# KiCad board frankenso.kicad_pcb (continued)
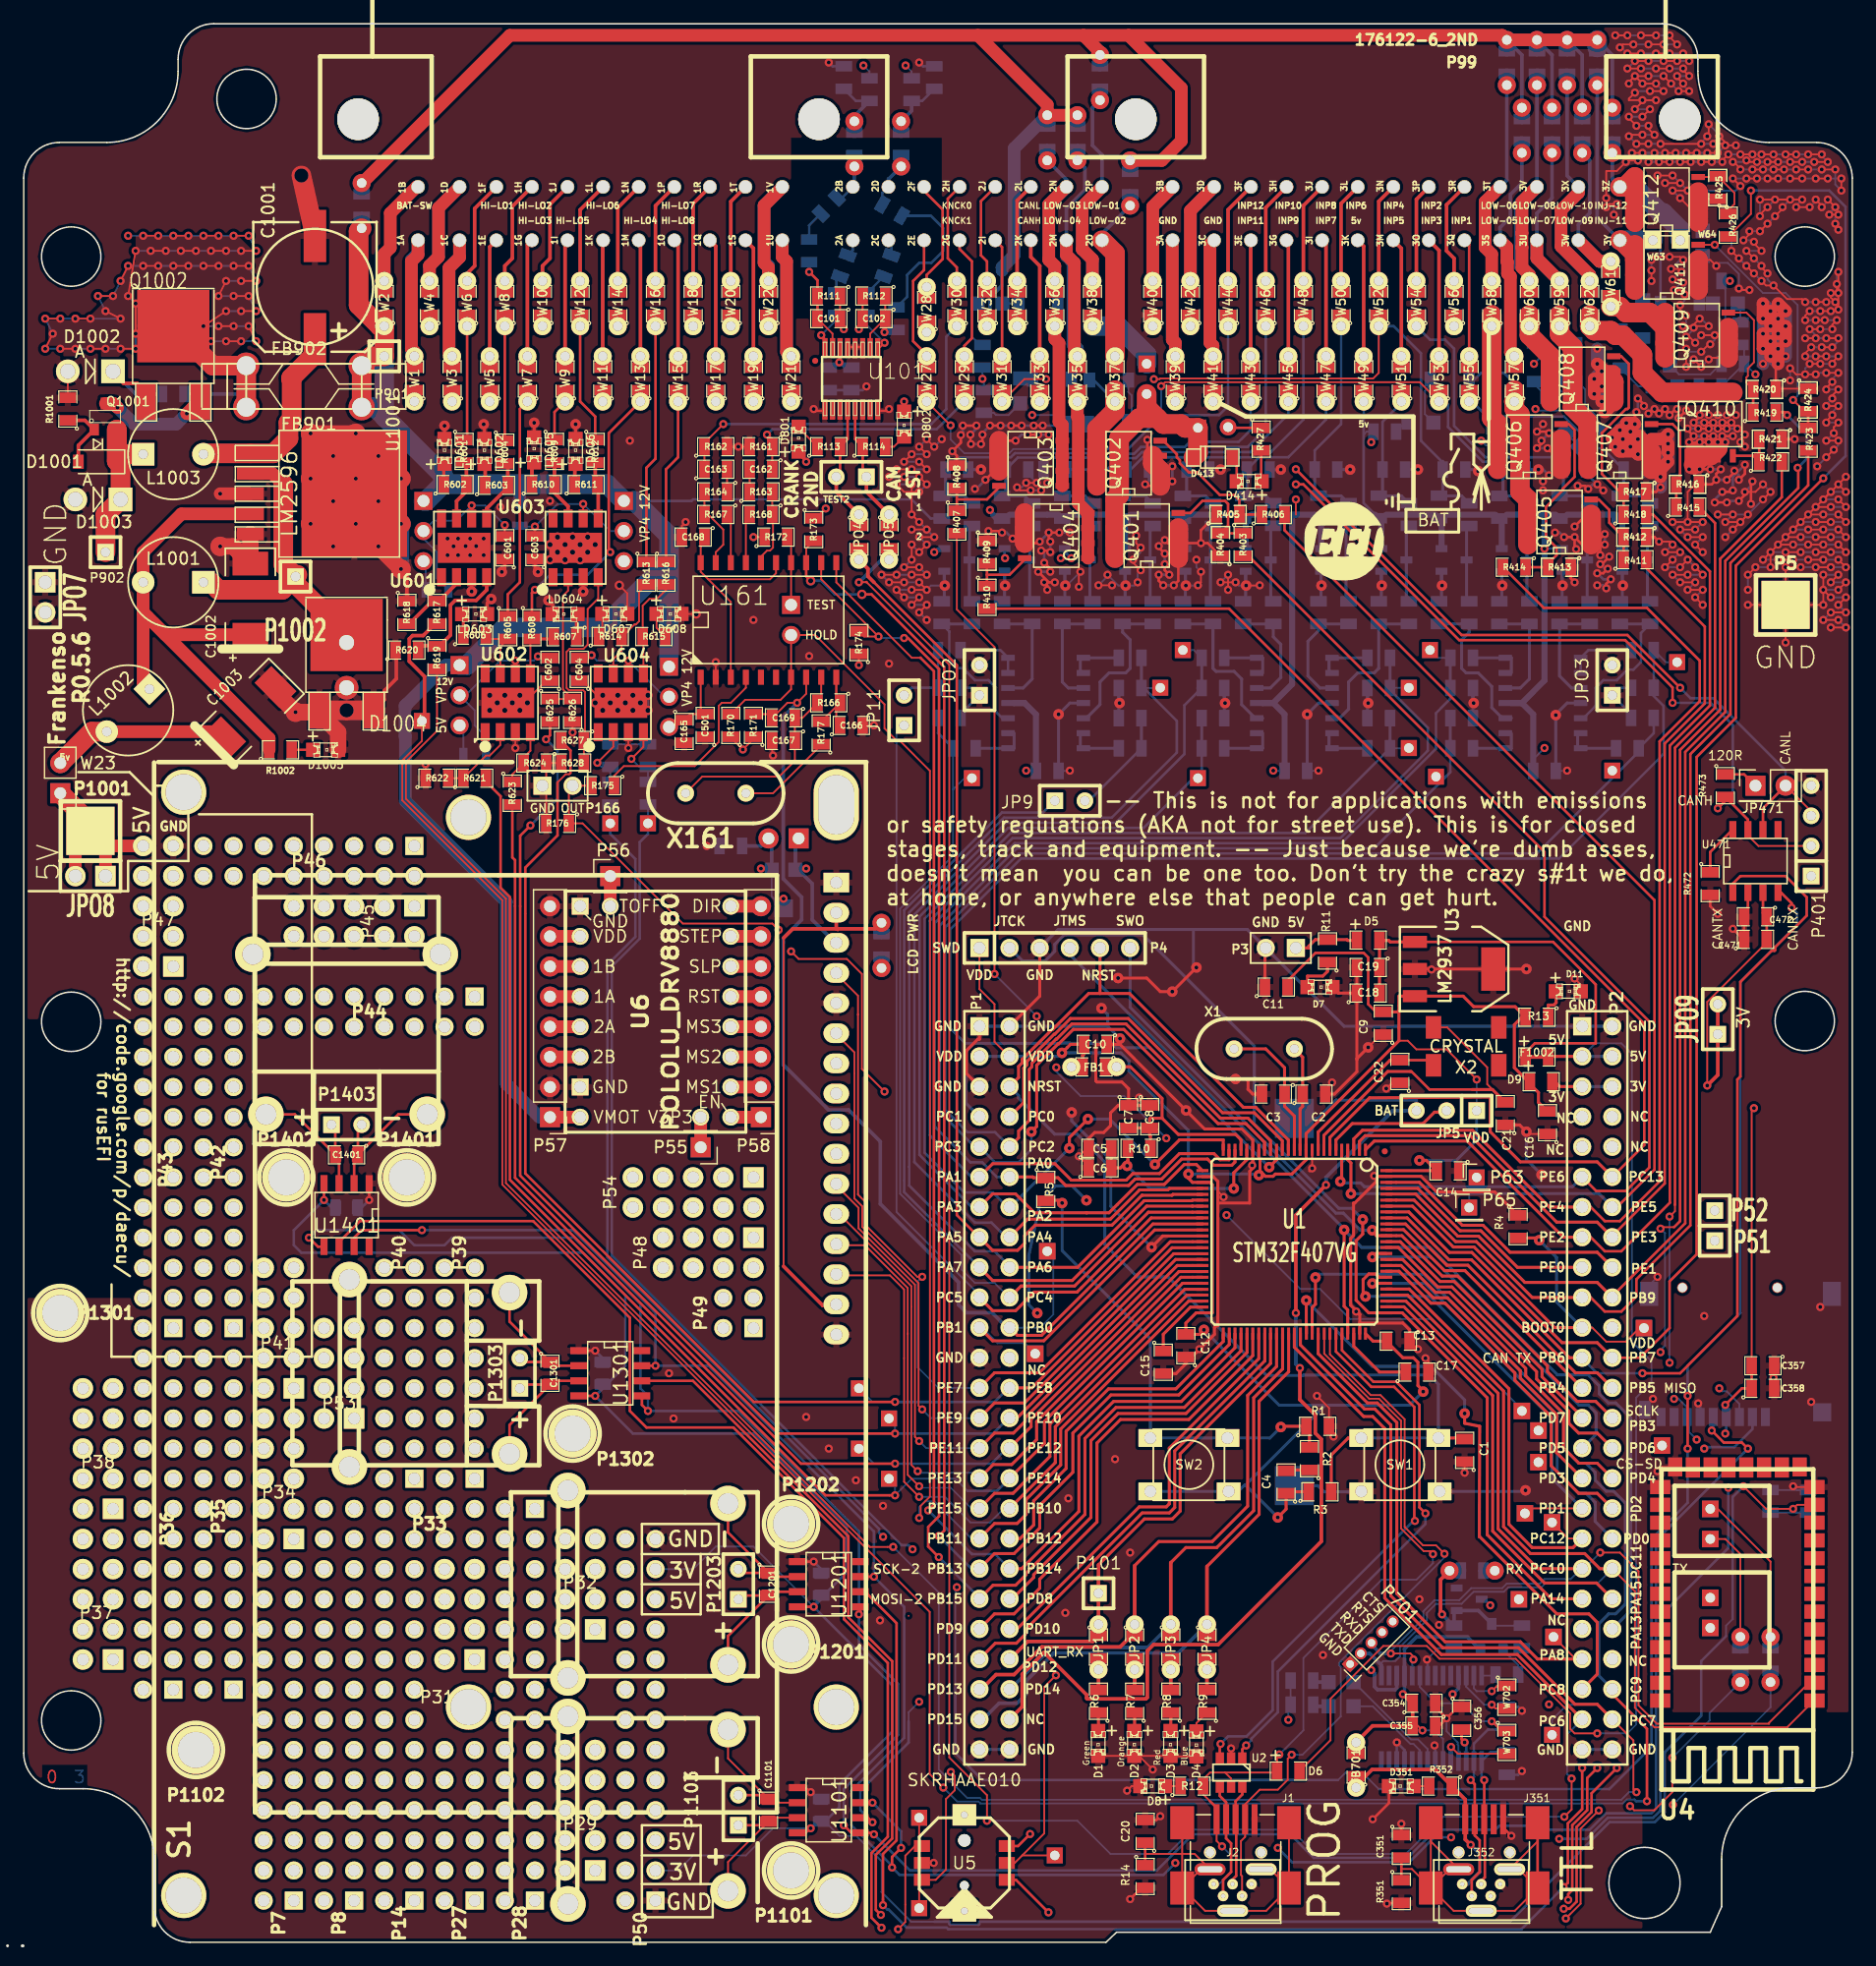
[diagram p0: board, top side]
## Routing (per net, layer and track width the routed paths; a pad name or vN(x,y) marks a point on that pad's centre or on a via; arc(x,y) is an arc through that point) (continued)
  Bottom w0.152: v2(137.96,60.15) 138.34,59.77 138.34,50.3 137.96,49.92 v2(137.96,49.74)
  Bottom w0.254: v1(113.67,57.76) 118.6,57.76 131.07,45.29 131.86,45.29 132.53,44.62 132.53,42.83 131.35,41.65
/inj_12ch/INJ-11_5V: length 102.8
  Top w0.216: 131.35,54.35 132.07,54.35 133.26,53.17 134.65,53.17 135.92,54.44 135.92,55.89 140.47,60.43 140.47,100.15 143.85,103.53 143.85,116.26 150.4,122.81 R423.2
  Top w0.254: 131.35,54.35 127.14,54.35 122.43,59.06 120.68,59.06 117.19,62.56 U1.95
/inj_12ch/INJ-12_5V: length 143.9
  Top w0.152: R426.2 145.58,145.69 v2(145.58,147.66)
  Top w0.216: P2.24 136.22,49.27 138.72,51.77 138.72,55.71 141,58 141,99.91 144.31,103.21 144.31,116.03 v2(151.67,123.4)
  Top w0.254: U1.93 116.74,61.57 120.16,58.15 122.05,58.15 129.66,50.54 132.62,50.54 P2.24
  Bottom w0.216: v2(151.67,123.4) 153.55,125.28 153.55,146.29 152.18,147.66 v2(145.58,147.66)
/KNOCK-INPUT-0: length 32.1
  Top w0.152: v2(58.96,127.97) 57.37,126.39 R162.1 C163.1 ; W30.1 W30.1
  Bottom w0.216: W30.1 77.76,135.34 77.76,129.24 76.49,127.97 v2(58.96,127.97)
/KNOCK-INPUT-1: length 21.9
  Top w0.152: R161.1 C162.1 ; W29.1 W29.1
  Top w0.216: v2(62.64,127.08) 63.09,126.64 R161.1
  Bottom w0.216: v2(62.64,127.08) 63.1,127.54 76.94,127.54 W29.1
/LOW-1A-01_2: length 6.3
  Bottom w1.651: R402.1 94.65,133.81 92.24,136.23 W38.1
/LOW-1A-02: length 11.6
  Top w1.651: Q402.2 Q402.2 Q402.2 Q402.2 90.46,127.56 91.98,129.09 W37.1 W37.1
  Bottom w0.216: W37.1 90.18,131.68 D416.2
/LOW-1A-03: length 16.7
  Top w1.067: Q403.2 Q403.2 Q403.2 Q403.2 87.54,127.9 87.26,128.18 87.26,134.8 86.9,135.15 W36.1 W36.1
  Bottom w0.216: W36.1 87.16,136.48 D418.2
/LOW-1A-04: length 16.6
  Top w1.067: Q404.2 Q404.2 Q404.2 Q404.2 88.88,121.29 88.88,128.53 88.81,128.61 W35.1 W35.1
  Bottom w0.216: W35.1 88.3,130.39 D420.2
/LOW-1A-05: length 19.5
  Top w1.651: W57.1 125.64,129.92 125.6,129.88 W57.1 125.64,129.24 126.11,128.77 126.11,122.3 Q405.2 Q405.2 Q405.2 Q405.2
  Bottom w0.216: W57.1 125.64,131.4 124.75,132.29 122.84,132.29 122.31,131.76 D422.2
/LOW-1A-06: length 15.1
  Top w1.651: W58.1 W58.1 123.73,128.48 Q406.2 Q406.2 Q406.2 Q406.2
  Bottom w0.216: W58.1 123.76,136.2 D424.2
/LOW-1A-07: length 16
  Top w1.651: Q407.2 Q407.2 Q407.2 Q407.2 131.86,128.1 130.55,129.41 130.55,134.46 129.45,135.57 W59.1 W59.1
  Bottom w0.216: D426.2 129.45,136.13 W59.1
/LOW-1A-08: length 9.6
  Top w1.651: Q408.2 Q408.2 Q408.2 Q408.2 126.91,135.47 W60.1 W60.1
  Bottom w0.216: D428.2 126.91,135.24 W60.1
/LOW-1A-09: length 13
  Top w0.216: W61.1 W61.1
  Top w1.651: Q409.2 Q409.2 ; Q409.2 Q409.2 ; Q409.2 137.07,137.37 135.03,137.37 134.53,137.88 W61.1
  Bottom w0.216: 136.46,138.51 135.82,137.88 W61.1
/LOW-1A-10: length 18.9
  Top w1.651: Q410.2 Q410.2 Q410.2 Q410.2 138.08,130.64 136.43,132.29 136.43,133.81 134.78,135.47 134.15,135.47 133.76,135.85 132.37,135.85 W62.1 W62.1
  Bottom w0.216: W62.1 132.24,135.97 D432.2
/LOW-1A-11: length 28.3
  Top w1.651: Q411.2 Q411.2 Q411.2 ; Q411.2 Q411.2 ; Q411.2 135.8,142.32 134.65,143.47 P99.51
  Bottom w0.216: W63.1 137.96,142.83 D434.2
  Bottom w0.305: P99.51 132.62,145.38 D22.1
  Bottom w1.651: W63.1 P99.51
/LOW-1A-12: length 16
  Top w1.651: P99.64 134.96,147.97 Q412.2 Q412.2 Q412.2 Q412.2
  Bottom w0.305: P99.64 133.89,148.61 D23.1
  Bottom w1.651: P99.64 135.77,147.97 D436.2 138.18,145.78 139.61,144.36 W64.1
/mmc_usb_1/CB2: length 4.1
  Top w0.152: v2(123.73,21.17) 124.18,21.61 W702.1
  Bottom w0.152: v2(123.73,21.17) 122.46,21.17 122.23,21.4 U351.13
/mmc_usb_1/CB4: length 5.1
  Top w0.152: v2(123.73,20.02) 124.05,19.71 W702.2
  Bottom w0.152: v2(123.73,20.02) 123.1,20.02 121.58,21.54 U351.12
/mmc_usb_1/D+: length 13.1
  Top w0.216: v2(123.1,13.67) J351.3 123.15,10.32 123.15,5.47 122.84,5.16 J352.3
  Bottom w0.216: v2(123.1,13.67) 122.88,13.89 U351.15 123.62,16.02 C353.2
/mmc_usb_1/D-: length 16.8
  Top w0.216: v2(121.95,13.67) 122.3,13.33 J351.2 122.3,9.01 122.72,8.59 122.72,5.93 122.04,5.25 J352.2
  Bottom w0.216: v2(121.95,13.67) 122.23,13.94 U351.16 122.23,16.74 123.41,17.93 C352.2
/mmc_usb_1/FTVCC: length 25.1
  Top w0.152: v2(117.89,17.86) 117.51,18.24 C355.2
  Top w0.305: v2(116.24,20.91) 117,20.15 C354.1 C355.2 113.68,18.24 112.3,16.86 FB701.2 FB701.2
  Bottom w0.152: v2(117.89,17.86) 118.91,17.86 119.63,17.14 U351.20
  Bottom w0.305: v2(116.24,20.91) 116.38,21.05 U351.4 116.38,24.73 117.38,25.74 121.68,25.74 Q701.2
/mmc_usb_1/PWREN#: length 1.2
  Bottom w0.152: R703.2 123.96,22.48 U351.14
/mmc_usb_1/RESET: length 6.1
  Top w0.152: v2(120.3,16.47) 120.87,15.9 W703.2
  Bottom w0.152: v2(120.3,16.47) 120.28,16.44 U351.19
/mmc_usb_1/RI: length 9.8
  Top w0.152: v2(123.73,18.63) 124.56,17.8 W703.1
  Bottom w0.152: v2(123.73,18.63) 122.72,18.63 121.19,20.15 119.03,20.15 117.68,21.51 U351.6
/mmc_usb_1/shield: length 42.5
  Top w0.152: J351.6 120.17,6.15 J352.6 118.6,8.5 J351.6 J351.6 ; J351.6 116.99,6.18 116.11,6.18 ; J351.6 120.52,2.65 J352.6 125.67,2.65 J351.6 126.02,6.15 J352.6 127.6,8.51 J351.6
  Top w0.216: R351.1 C351.2 ; J351.6 J351.6
/PWR_buck_12V_switcher/FB: length 50.5
  Top w1.067: L1001.2 10.07,117.18 13.29,120.4 U1001.4 ; L1001.2 10.07,112.1 ; L1001.2 10.07,106.16 L1002.1 ; 10.07,112.1 11.95,110.22 C1002.1 ; 10.07,112.1 20.69,101.48 R1002.1
/PWR_buck_12V_switcher/OUT: length 26.8
  Top w1.067: 21.88,122.89 20.96,123.81 U1001.2
  Top w1.651: 21.88,122.89 21.88,116.15 P1002.1 ; P1002.1 21.79,114 16.42,114 15.78,114.64 L1001.1 ; P1002.1 23.06,115.27 ; P1002.1 22.91,114.5 D1004.2
/PWR_buck_12V_switcher/Vf: length 107.9
  Top w0.152: Q1002.2 v2(15.78,134.96) ; v2(17.05,134.96) v2(18.32,134.96) ; v2(19.59,134.96) v2(18.96,136.23) ; v2(17.69,136.23) v2(16.42,136.23) ; v2(15.15,136.23) v2(17.05,137.5) ; v2(18.32,137.5) v2(19.59,137.5) ; v2(18.96,138.77) v2(17.69,138.77) ; v2(16.42,138.77) v2(17.05,140.04) ; v2(18.32,140.04) v2(19.59,140.04) ; v2(18.96,141.31) v2(17.69,141.31) ; v2(16.42,141.31) v2(15.15,141.31) ; v2(13.88,141.31) v2(12.61,141.31) ; v2(11.34,141.31) v2(10.07,141.31) ; v2(8.8,141.31) v2(8.16,140.04) ; v2(7.53,138.77) v2(6.26,138.77) ; v2(6.89,137.5) v2(8.16,136.86) ; v2(5.62,136.86) v2(4.35,136.86) ; v2(3.08,136.86) v2(1.81,136.86) ; v2(2.45,135.59) v2(1.81,134.32) ; v2(3.08,134.32) v2(4.35,134.32) ; v2(5.62,134.32) v2(6.89,134.32) ; v2(8.16,134.32) v2(9.43,134.32) ; v2(9.43,135.59) v2(9.43,138.13) ; v2(8.8,138.77) v2(9.43,142.58) ; v2(10.7,142.58) v2(11.97,142.58) ; v2(13.24,142.58) v2(14.51,142.58) ; v2(15.78,142.58) v2(17.05,142.58) ; v2(18.32,142.58) v2(19.59,142.58) ; v2(18.96,143.85) v2(17.69,143.85) ; v2(16.42,143.85) v2(15.15,143.85) ; v2(13.88,143.85) v2(12.61,143.85) ; v2(11.34,143.85) v2(10.07,143.85)
  Top w1.651: Q1002.2 15.93,132.9 FB902.1 FB902.1
  Bottom w0.152: v2(15.78,134.96) v2(17.05,134.96) ; v2(18.32,134.96) v2(19.59,134.96) ; v2(18.96,136.23) v2(17.69,136.23) ; v2(16.42,136.23) v2(15.15,136.23) ; v2(17.05,137.5) v2(18.32,137.5) ; v2(19.59,137.5) v2(18.96,138.77) ; v2(17.69,138.77) v2(16.42,138.77) ; v2(17.05,140.04) v2(18.32,140.04) ; v2(19.59,140.04) v2(18.96,141.31) ; v2(17.69,141.31) v2(16.42,141.31) ; v2(15.15,141.31) v2(13.88,141.31) ; v2(12.61,141.31) v2(11.34,141.31) ; v2(10.07,141.31) v2(8.8,141.31) ; v2(8.16,140.04) v2(7.53,138.77) ; v2(6.26,138.77) v2(6.89,137.5) ; v2(8.16,136.86) v2(5.62,136.86) ; v2(4.35,136.86) v2(3.08,136.86) ; v2(1.81,136.86) v2(2.45,135.59) ; v2(1.81,134.32) v2(3.08,134.32) ; v2(4.35,134.32) v2(5.62,134.32) ; v2(6.89,134.32) v2(8.16,134.32) ; v2(9.43,134.32) v2(9.43,135.59) ; v2(9.43,138.13) v2(8.8,138.77) ; v2(9.43,142.58) v2(10.7,142.58) ; v2(11.97,142.58) v2(13.24,142.58) ; v2(14.51,142.58) v2(15.78,142.58) ; v2(17.05,142.58) v2(18.32,142.58) ; v2(19.59,142.58) v2(18.96,143.85) ; v2(17.69,143.85) v2(16.42,143.85) ; v2(15.15,143.85) v2(13.88,143.85) ; v2(12.61,143.85) v2(11.34,143.85) ; v2(10.07,143.85) v2(8.8,143.85)
  Bottom w0.305: FB902.1 18.75,130.08 18.32,130.51 R1003.1
/PWR_buck_12V_switcher/Vs1: length 9.3
  Top w0.305: Q1002.1 10.32,130.64 9.56,131.4 8.42,131.4 7.53,132.29 D1002.1
  Bottom w0.305: D1002.1 9.43,130.51 R1003.2
/PWR_buck_12V_switcher/Vs2: length 11.3
  Top w0.305: Q1001.3 6.89,129.88
  Top w1.067: v2(7.91,129.37) 7.57,129.71 Q1001.3 ; 15.11,129.4 14.29,129.4 v2(13.75,128.86) 13.88,128.86 Q1002.3
  Bottom w1.067: v2(7.91,129.37) 9.3,127.97 12.86,127.97 v2(13.75,128.86)
/SCK: length 276.1
  Top w0.216: v2(71.66,9.1) 71.53,9.23 U1101.5 69.76,9.23 v2(69.12,9.86) ; v2(145.32,41.61) 144.81,42.12 143.29,42.12 v2(142.27,43.14) ; v2(70.39,27.64) 70.52,27.77 U1201.5 ; v2(52.61,44.79) 52.1,45.3 U1301.5 ; v2(24.04,59.39) 24.8,58.63 U1401.5
  Top w0.254: v1(113.66,60.02) 114,59.68 114,59.56 U1.89 116.16,59.56 119.56,56.16 120.85,56.16 128.43,48.58 128.43,48.1 130.93,45.59 132.49,45.59 P2.28
  PWR w0.216: v2(142.27,43.14) 135.16,43.14 134.1,44.19 P2.28
  Bottom w0.216: v2(142.27,43.14) 142.4,43.26 P352.5 ; v2(24.04,59.39) 24.67,60.03 31.66,60.03 32.93,58.76 35.47,58.76 36.1,59.39 46.38,59.39 51.98,53.79 51.98,46.69 52.61,46.06 v2(52.61,44.79) 60.23,44.79 70.39,34.63 v2(70.39,27.64) 70.39,25.08 73.69,21.78 73.69,17.48 69.12,12.91 v2(69.12,9.86) ; v2(71.66,9.1) 74.71,6.05 95.51,6.05 98.55,9.1 106.75,9.1 108.73,7.11 116.63,7.11 119,9.48 124.02,9.48 124.37,9.82 127.07,9.82 127.41,9.48 131.97,9.48 133.36,10.87 137.18,10.87 137.57,11.26 137.57,33.87 v2(145.32,41.61)
  Bottom w0.254: v1(113.66,60.02) 112.67,60.02 111.23,61.46 110.6,61.46 93.25,78.81 P4.6
/SCK-2: length 128.9
  Top w0.152: R173.2 65.95,117.5 U161.13
  Top w0.216: v2(77.12,34.25) 77.58,34.7 77.58,107.5 71.46,113.62 v4(70.65,113.62) ; v4(66.33,114.76) 65.95,115.15 U161.13
  Top w0.254: P1.37 81.82,32.76 83.47,32.76 85.63,34.92 85.63,36.83 88.43,39.62 88.43,42.92 91.64,46.14 97.35,46.14 101.61,50.39 U1.52
  Bottom w0.216: v2(77.12,34.25) 79.88,31.49 P1.37 ; v4(70.65,113.62) 68.36,113.62 67.22,114.76 v4(66.33,114.76)
/SI: length 37.4
  Top w0.254: P2.26 132.62,48 130.79,48 121.72,57.07 119.94,57.07 116.46,60.55 U1.91
  PWR w0.152: v2(142.91,46.69) 142.53,47.07 135.92,47.07 135.58,46.73 P2.26
  Bottom w0.152: v2(142.91,46.69) 143.16,46.44 143.54,46.44 144.6,45.38 P352.3
/SI-2: length 132.8
  Top w0.152: U161.12 67.22,114.89 v2(72.04,110.07) 70.84,110.07 R174.2 ; v2(74.2,109.94) 74.53,109.94
  Top w0.216: 74.53,109.94 77.15,107.32 77.15,35.92 76.23,35.01 76.23,33.36 v2(77.12,32.47)
  Top w0.254: P1.39 81.69,30.1 83.6,30.1 84.49,30.99 84.49,31.11 89.44,36.07 89.44,42.47 92.06,45.08 97.82,45.08 102.6,49.86 U1.54
  Bottom w0.152: v2(72.04,110.07) 72.17,109.94 v2(74.2,109.94)
  Bottom w0.216: v2(77.12,32.47) 80.55,29.04 P1.39
/SO: length 241.8
  Top w0.216: v2(71.66,30.82) U1201.7 ; v2(53.25,48.6) U1301.7 ; v2(33.56,60.03) 28.48,60.03 27.85,59.39 U1401.7 ; v2(73.95,7.96) 73.19,7.2 v2(73.19,6.31) ; U1101.7 v2(71.53,11.77)
  Top w0.254: U1.90 116.29,60.07 119.75,56.61 121.47,56.61 131.35,46.73
  PWR w0.152: v2(139.1,45.8) 138.34,46.57 136.43,46.57 135.29,45.42 133.13,45.42 131.82,46.73 131.35,46.73 ; v2(141,42.37) 142.27,42.37 143.67,40.98 v2(143.67,38.31)
  PWR w0.216: v2(97.06,6.69) 99.47,9.1 104.68,9.1 105.7,8.08 v2(105.7,7.96) ; v2(120.3,8.85) 121.19,9.74 128.4,9.74 v2(129.42,8.72)
  Bottom w0.152: v2(141,42.37) 140.37,43.01 140.37,44.11 P352.7 140.2,45.08 139.48,45.8 v2(139.1,45.8)
  Bottom w0.216: v2(97.06,6.69) 96.06,5.68 73.81,5.68 v2(73.19,6.31) 73.19,6.43 69.76,9.86 69.76,12.78 74.2,17.23 74.2,28.28 v2(71.66,30.82) 71.66,34.63 57.69,48.6 v2(53.25,48.6) 53.25,53.04 46.26,60.03 v2(33.56,60.03) ; v2(105.7,7.96) 106.91,6.74 116.78,6.74 118.89,8.85 v2(120.3,8.85) ; v2(71.53,11.77) 73.95,9.35 v2(73.95,7.96) ; v2(143.67,38.31) 143.67,33.23 137.94,27.5 137.94,11.11 137.33,10.5 133.51,10.5 131.73,8.72 v2(129.42,8.72)
/SO-2: length 124.5
  Top w0.152: U161.11 68.49,114.64 74.85,108.27 75.58,108.27
  Top w0.216: 75.57,108.29 76.72,107.14 76.72,36.89 v2(76.23,36.41)
  Top w0.254: P1.38 84.11,31.49 88.93,36.32 88.93,42.67 91.85,45.59 97.57,45.59 102.09,50.11 U1.53
  Bottom w0.216: v2(76.23,36.41) 79.92,32.72 81.86,32.72 P1.38
/stm32f407_board/BOOT0: length 37.6
  Top w0.152: 131.35,51.81 132.2,51.81 133.38,50.63 135.03,50.63 136.18,51.77 P30.1
  Top w0.254: v1(127.73,59.18) 127.54,59.37 R4.2 ; 131.35,51.81 129.03,51.81 122.24,58.61 120.49,58.61 117.05,62.05 U1.94
  Bottom w0.254: v1(127.73,59.18) 129.19,57.72 129.19,53.97 131.35,51.81
/stm32f407_board/D+: length 8.6
  Top w0.216: U2.6 102.71,12.46 102.14,11.89 J1.3 102.19,10.32 102.19,5.6 101.89,5.29 J2.3
/stm32f407_board/D-: length 9.9
  Top w0.216: U2.4 100.81,12.34 101.34,11.81 J1.2 101.34,8.76 101.76,8.34 101.76,5.93 101.09,5.25 J2.2
/stm32f407_board/NRST: length 107.5
  Top w0.254: SW1.1 111.63,42.51 110.21,41.08 R3.2 ; C1.2 121.35,42.51 SW1.1 ; P4.5 90.71,79.98 ; 90.71,79.98 93.2,79.98 102.79,70.38 103.84,70.38 106.59,67.64 U1.14 ; 90.71,79.98 89.76,79.98 86.73,76.95 86.68,76.95 84.16,74.43 84.16,74.14 83.85,73.83 83.85,72.9 P1.6
  Bottom w0.254: P1.6 83.85,71.37 83.85,71.17 86.9,68.12 88.78,68.12 91.12,65.78 91.12,58.82 93.86,56.08 96.45,56.08 104.75,47.78 107.86,47.78 107.89,47.81 118.46,47.81 119.23,47.04 SW1.1 SW1.1
/stm32f407_board/PA5: length 84.2
  Top w0.152: JPO4.2 70.39,115.91
  Top w0.216: 71.66,114.64 78.65,107.65 78.65,61.3 80.51,59.43 P1.15
  Top w0.254: P1.15 81.66,58.33 83.76,58.33 84.36,58.93 84.36,59.56 85.25,60.45 91.73,60.45 94.24,62.96 96.79,62.96 96.86,63.04 U1.30
  Top w0.305: 71.66,114.64 71.15,115.15 71.15,115.78 JPO4.2
/stm32f407_board/PA9: length 67.2
  Top w0.152: 99.98,11.89 99.41,12.47 R12.2 99.41,13.74 99.98,14.31 101.25,14.31 ; 101.25,14.31 101.76,13.8 U2.5 ; 101.25,14.31 105.51,14.31 D6.1 105.63,15.64 v2(105.82,15.83) ; v2(118.78,32.72) 118.52,32.98 117.99,32.98 116.09,34.88 116.09,43.96 114.23,45.82 113.4,45.82 109.61,49.61 U1.68 ; v2(101,8.08) 100.54,8.54 J1.1
  Top w0.216: 99.98,11.89 100.54,11.34 J1.1
  Bottom w0.152: v2(105.82,15.83) 107.86,17.86 107.86,23.96 114.46,30.56 117.38,30.56 118.78,31.96 v2(118.78,32.72) ; v2(101,8.08) 101.76,7.32 101.76,5.93 100.74,4.9 J2.1
/stm32f407_board/PA10: length 61.2
  Top w0.152: v2(119.74,32.75) 119.03,33.46 117.94,33.46 116.39,35.01 116.39,44.09 114.35,46.12 113.53,46.12 110.09,49.56 U1.69 ; v2(106.87,15.81) 106.54,15.48 106.54,13.7 105.7,12.86 104.17,12.86 102.94,11.63 J1.4 102.94,8.88 102.59,8.54 102.59,5.67 102.69,5.58 J2.4
  Bottom w0.152: v2(106.87,15.81) 107.77,15.81 111.01,19.04 111.01,23.21 110.86,23.36 110.86,23.55 111.01,23.69 111.01,23.71 119.74,32.44 v2(119.74,32.75)
/stm32f407_board/PA11: length 47.7
  Top w0.216: v2(100.87,16.72) 100.81,16.66 U2.3 ; v2(117.25,35.52) 117.2,35.57 117.2,45.12 115.5,46.82 113.57,46.82 110.6,49.79 U1.70
  Bottom w0.216: v2(100.87,16.72) 101.51,17.36 103.05,17.36 105.27,19.57 105.27,23.65 117.25,35.64 v2(117.25,35.52)
/stm32f407_board/PA12: length 46.2
  Top w0.216: v2(103.03,16.59) 102.71,16.27 U2.1 ; v2(118.14,36.15) 117.64,36.66 117.64,45.3 115.68,47.25 113.75,47.25 111.11,49.89 U1.71
  Bottom w0.216: v2(103.03,16.59) 103.47,17.04 103.47,17.17 105.7,19.39 105.7,22.82 118.14,35.26 v2(118.14,36.15)
/stm32f407_board/PA15: length 44.2
  Top w0.254: P2.40 132.56,30.29 128.18,30.29 123.81,34.66 123.81,46.09 116.33,53.57 U1.77
  PWR w0.152: P2.40 133.98,29.04 P11.1
/stm32f407_board/PB1: length 28.7
  Top w0.254: U1.36 95.32,60.04 85.98,50.7 81.66,50.7 P1.21
  Bottom w0.152: P13.1 84.36,50.5 82.08,50.5 80.76,51.81 P1.21
/stm32f407_board/PC6: length 221.9
  Top w0.152: v2(81.19,10.24) 81.19,12.4 78.01,15.58 78.01,107.68 71.04,114.65 70.4,114.65 v2(70.39,114.64) ; v2(130.46,13.8) 130.46,11.19 v2(129.85,10.58)
  Top w0.216: 71.03,114.66 71.04,114.65
  Top w0.254: 131.35,18.79 125.89,24.25 119.48,24.25 114.71,29.02 114.71,43.3 113.7,44.32 112.94,44.32 107.09,50.16 U1.63
  Bottom w0.152: v2(130.46,13.8) 130.08,14.18 130.08,17.52 131.35,18.79 ; v2(129.85,10.58) 119.62,10.58 116.49,7.45 108.87,7.45 106.84,9.48 98.46,9.48 96.43,7.45 91.6,7.45 88.81,10.24 v2(81.19,10.24)
  Bottom w0.216: 130.76,18.79 131.35,18.79
  Bottom w0.305: JPO5.2 72.3,116.54 v2(70.39,114.64)
/stm32f407_board/PC8: length 143.6
  Top w0.152: v2(73.69,1.1) 74.3,1.71 74.3,7.3 75.12,8.11 U5.6 75.47,8.35 P75.1 ; v2(132.75,11.11) 131.22,9.58 131.22,3.25 v2(129.97,2)
  Top w0.254: 122.68,34.18 122.68,34.19 ; 122.68,34.19 122.68,36.29 122.72,43.49 121.45,43.75 v1(121.45,44.57) ; 122.68,34.19 122.72,34.19 129.22,27.68 131.91,27.68 132.62,26.97 132.62,22.6 131.35,21.33 ; v1(108.1,54.11) 108.1,52.16 108.11,52.14 U1.65
  PWR w0.152: v2(128.56,20.05) 129.65,18.95 129.65,18.39 129.67,18.39 129.74,18.31 129.74,16.65 129.67,16.58 129.7,16.58 129.7,13.4 132,11.11 v2(132.75,11.11) ; v2(129.97,2) 129.07,1.1 v2(73.69,1.1)
  GND w0.152: v2(128.56,20.05) 129.84,21.33 131.35,21.33
  Bottom w0.152: 131.35,21.33 131.35,21.17
  Bottom w0.254: v1(121.45,44.57) 121.45,45.72 118.62,48.55 113.66,48.55 v1(108.1,54.11)
/stm32f407_board/PC12: length 35.6
  Top w0.152: P16.1 130.17,34.03 131.35,34.03
  Top w0.254: 131.35,34.03 130.59,33.27 127.13,33.27 125.18,35.24 125.18,46.65 116.77,55.06 U1.80
/stm32f407_board/PD0: length 53.9
  Top w0.152: W102.2 W102.2 144.69,32.72 143.42,33.99 P17.1
  Top w0.254: v1(113.67,55.53) 113.69,55.55 U1.81
  PWR w0.152: P2.36 133.93,33.99 P17.1
  Bottom w0.152: W102.2 W102.2
  Bottom w0.254: v1(113.67,55.53) 118.09,55.53 129.26,44.37 129.26,39.65 131.06,37.84 131.69,37.84 132.44,37.08 132.44,35.48 P2.36
/stm32f407_board/PD1: length 37.4
  Top w0.152: P18.1 126.95,36.57 131.35,36.57
  Top w0.254: v1(113.09,54.44) 112.89,54.63 112.89,55.86 113.37,56.33 113.97,56.33 114.25,56.06 U1.82
  Bottom w0.254: 131.35,36.57 128.8,39.13 128.8,44.18 118.54,54.44 v1(113.09,54.44)
/stm32f407_board/PD2: length 53.3
  Top w0.152: W103.2 W103.2 147.23,32.09 142.78,36.53 P19.1
  Top w0.254: P2.34 132.62,37.84 131.06,37.84 128.74,40.16 128.74,44.31 125.68,47.37 125.68,47.99 119.8,53.87 118.61,53.87 115.92,56.56 U1.83
  PWR w0.152: P2.34 133.93,36.53 P19.1
  Bottom w0.152: W103.2 W103.2
/stm32f407_board/PD6: length 31.3
  Top w0.254: U1.87 115.85,58.57 119.18,55.24 120.37,55.24 127.51,48.1 127.51,47.48 130.23,44.76 130.23,43.74 131.05,42.92 132.62,42.92 P2.30
  PWR w0.152: P22.1 137.87,41.65 P2.30
/stm32f407_board/PD10: length 61.5
  Top w0.152: v2(87,22.51) 86.01,21.52 86.01,9.18 84.16,7.32 ; 84.16,7.32 83.52,6.69 U5.2 ; 84.16,7.32 P76.1
  Top w0.254: U1.57 104.1,49.2 96.55,41.65 96.55,36.95 96.3,36.7 94.01,36.7 83.73,26.41 P1.42
  PWR w0.152: v2(87,22.51) P1.42
/stm32f407_board/PD11: length 63.8
  Top w0.152: v2(78.14,14.36) 78.47,14.03 78.47,12.81 77.73,12.07 77.73,6.13 76.87,5.26 U5.4 75.47,5.03 P77.1
  Top w0.254: P1.43 81.88,25.21 83.66,25.21 84.42,25.97 84.42,26.35 94.27,36.19 96.55,36.19 97.01,36.65 97.01,41.41 104.61,49.01 U1.58
  PWR w0.152: P1.43 78.14,21.46 v2(78.14,14.36)
/stm32f407_board/PD13: length 47.4
  Top w0.254: 93.63,31.75 95.66,33.78 100.17,33.78 103.16,36.76 103.16,46.1 105.6,48.54 U1.60 ; JP2.1 93.25,26.16
  Top w0.305: JP2.1 93.36,25.84 92.41,24.9 85.81,24.9 83.47,22.56 81.95,22.56 80.72,21.33 P1.45 ; JP2.1 93.63,31.75
/stm32f407_board/PD14: length 45.8
  Top w0.254: 96.68,32 97.95,33.27 100.55,33.27 103.67,36.38 103.67,45.9 106.1,48.33 U1.61
  Top w0.305: JP3.1 96.68,32
  Bottom w0.305: JP3.1 94.73,24.85 86.65,24.85 83.13,21.33 P1.46
/stm32f407_board/PD15: length 50.6
  Top w0.254: 99.73,31.68 104.12,36.08 104.12,45.6 106.61,48.09 U1.62
  Top w0.305: JP4.1 99.73,31.68
  Bottom w0.254: P1.47 80.68,18.79
  Bottom w0.305: JP4.1 97.33,24.39 86.84,24.39 84.49,22.04 84.49,20.91 83.73,20.15 82.2,20.15 80.85,18.79 P1.47
/stm32f407_board/PE0: length 32.4
  Top w0.254: 131.35,56.89 125.89,56.89 122.81,59.98 121.06,59.98 117.49,63.55 U1.97
  PWR w0.152: P52.1 138.84,58 132.88,58 131.77,56.89 131.35,56.89
/stm32f407_board/PE1: length 31.6
  Top w0.216: P2.18 133.91,56.89
  Top w0.254: P2.18 132.62,58.16 125.27,58.16 123,60.44 121.25,60.44 117.63,64.06 U1.98
  PWR w0.152: P51.1 140.88,57.49 137.19,57.49 136.6,56.89 P2.18
/stm32f407_board/RTC_Bat: length 94.2
  Top w0.305: v2(107.22,53.04) 107.22,61.3 v2(109.76,63.84) ; P1.48 84.16,19.86 84.16,22.6 86,24.44 89.58,20.86 89.58,20.58 89.64,20.52 94.57,20.52 94.7,20.65 94.7,24.56 95.23,25.09 100.67,25.09 109.37,33.79 109.37,42.41 108.86,42.91 108.86,44.44 107.56,45.74 v2(107.56,48.4)
  Bottom w0.254: JP5.3 117.38,70.99 110.6,70.99 109.07,69.46 BT1.1
  Bottom w0.305: JP5.3 115.39,70.1 109.76,64.47 v2(109.76,63.84) ; v2(107.22,53.04) 107.22,48.74 v2(107.56,48.4)
/stm32f407_board/shield: length 35.5
  Top w0.152: J1.6 99.22,6.15 J2.6 98.69,7.45 94.52,7.45 ; J1.6 99.57,2.65 J2.6 104.72,2.65 J1.6 ; J1.6 J1.6 ; J1.6 105.07,6.15 J2.6 ; J1.6 J1.6
  Top w0.216: R14.1 C20.1
/thermocouple1//CS: length 64.8
  Top w0.216: v2(71.53,10.12) 71.15,10.5 U1101.6 ; P1.44 83.26,23.87
  Top w0.254: 90.58,31.81 94.46,35.68 96.81,35.68 97.47,36.34 97.47,41.17 105.09,48.79 U1.59
  Top w0.305: JP1.1 90.1,25.36 84.62,25.36 83.13,23.87 P1.44 ; 90.58,31.81 P101.1 JP1.1
  PWR w0.152: P1.44 82.42,23.87 81.19,25.1 79.54,25.1 75.47,21.04 v2(75.47,20.28)
  Bottom w0.152: v2(75.47,20.28) 74.58,19.39 74.58,18.63
  Bottom w0.216: 74.58,18.63 74.58,16.83 70.52,12.77 70.52,11.13 v2(71.53,10.12)
/thermocouple1/TCPL+: length 12.5
  Top w0.152: P1104.2 59.36,6.77 C1101.2 63.09,10.5 U1101.3
  Top w0.216: C1101.2 62.45,9.86 P1103.1
/thermocouple1/TCPL-: length 12.5
  Top w0.152: P1104.1 59.36,15.5 C1101.1 63.09,11.77 U1101.2
  Top w0.216: C1101.1 62.45,12.4 P1103.2
/thermocouple2//CS: length 208
  Top w0.216: v2(129.79,4.66) 130.15,5.02 130.15,10.02 131.35,11.23 v2(131.35,14.69) ; U1201.6 70.92,29.55 73.57,26.9 73.57,8.59 72.42,7.45 v2(72.42,3.13)
  Top w0.254: v1(112.86,60.93) 112.86,59.7 112.3,59.14 112.3,54.12 113.36,53.06 U1.76 116.19,53.06 123.35,45.9 123.35,34.35 128.75,28.95 131.35,28.95
  PWR w0.152: 131.35,28.95 131.31,28.91 P10.1
  PWR w0.216: 131.35,28.95 130.08,27.68 130.08,15.83 131.22,14.69 v2(131.35,14.69)
  Bottom w0.216: v2(129.79,4.66) 126.24,1.11 77.92,1.11 77.79,1.24 74.41,1.24 72.86,2.79 72.76,2.79 v2(72.42,3.13)
  Bottom w0.254: v1(112.86,60.93) 111.92,61.87 110.84,61.87 103.72,68.99 103.72,75.54 94.35,84.91 87.69,84.91 86.9,84.13 86.9,83.54 86.09,82.72 84.18,82.72 P4.2
/thermocouple2/TCPL+: length 12.5
  Top w0.216: C1201.2 63.09,29.55 U1201.3 ; C1201.2 59.36,25.82 P1204.2 ; C1201.2 60.55,29.23 P1203.1
/thermocouple2/TCPL-: length 12.5
  Top w0.216: C1201.1 63.09,30.82 U1201.2 ; C1201.1 59.36,34.55 P1204.1 ; C1201.1 60.55,31.14 P1203.2
/thermocouple3//CS: length 184.8
  Top w0.152: P6.1 130.8,23.87 131.35,23.87
  Top w0.216: U1301.6 56.4,47.33 69.5,34.23 69.5,27.39 73.2,23.69 73.2,8.75 71.82,7.36 71.82,2.74 v2(72.24,2.31) ; v2(130.17,3.57) 130.17,4.06 130.52,4.4 130.52,9.87 131.78,11.13 131.78,13.84 v2(132.62,14.69)
  Top w0.254: 131.35,23.87 127.59,23.87 126.13,25.33 119.79,25.33 115.73,29.4 115.73,43.81 114.08,45.46 113.25,45.46 109.1,49.62 U1.67
  PWR w0.152: v2(72.24,2.31) 74.36,2.31 75.16,1.51 127.63,1.51 129.69,3.57 v2(130.17,3.57)
  PWR w0.216: 131.35,23.87 132.62,22.6 132.62,18.5 133.38,17.74 133.38,17.48 132.62,16.72 v2(132.62,14.69)
/thermocouple3/TCPL+: length 12.5
  Top w0.216: C1301.2 40.95,43.6 P1304.2 ; C1301.2 44.67,47.33 U1301.3 ; C1301.2 42.13,47.01 P1303.1
/thermocouple3/TCPL-: length 12.5
  Top w0.216: C1301.1 40.95,52.33 P1304.1 ; C1301.1 44.67,48.6 U1301.2 ; C1301.1 42.13,48.92 P1303.2
/thermocouple4//CS: length 279.9
  Top w0.216: v2(134.27,14.69) 132.14,12.56 132.14,10.98 130.88,9.72 130.88,3.43 130.28,2.82 v2(129.8,2.82) ; U1401.6 26.58,59.03 28.34,60.79 42.94,60.79 51.09,52.64 51.09,44.79 52.48,43.39 59.82,43.39 69.13,34.08 69.13,27.24 72.83,23.54 72.83,8.9 71.45,7.52 71.45,2.07 v2(72.3,1.23)
  Top w0.254: U1.72 111.59,53.31 111.29,53.61 v1(111.29,60.05)
  PWR w0.152: P2.42 133.98,26.5 P9.1
  PWR w0.216: P2.42 135.03,25.27 135.03,15.32 134.4,14.69 v2(134.27,14.69)
  GND w0.152: v2(72.3,1.23) 72.8,1.73 74.58,1.73 75.09,1.23 128.2,1.23 v2(129.8,2.82)
  Bottom w0.254: P4.4 88.17,83.24 111.29,60.12 v1(111.29,60.05) 112.76,58.57 118.52,58.57 129.27,47.83 131.86,47.83 132.8,46.89 132.8,46.22 133.56,45.46 134.18,45.46 135.45,44.19 135.45,27.97 P2.42
/thermocouple4/TCPL+: length 12.5
  Top w0.216: C1401.2 26.58,66.06 U1401.3 ; C1401.2 22.85,69.79 P1404.2 ; C1401.2 26.26,68.6 P1403.1
/thermocouple4/TCPL-: length 12.5
  Top w0.216: C1401.1 27.85,66.06 U1401.2 ; C1401.1 31.58,69.79 P1404.1 ; C1401.1 28.16,68.6 P1403.2
Net-(C2-Pad1): length 8.9
  Top w0.254: X1.2 107.79,74.61 C2.1 107.79,70.47 107.58,70.25 U1.12
Net-(C3-Pad1): length 12.2
  Top w0.254: X1.1 104.68,75.31 106.27,73.72 C3.1 106.27,70.47 107.09,69.64 U1.13
Net-(C4-Pad2): length 2
  Top w0.254: C4.2 106.46,39.81 R2.1
Net-(C5-Pad2): length 18.2
  Top w0.254: C5.2 91.66,65.66 92.05,65.28 ; v1(101.99,63.54) 101.99,64.87 103.08,65.96 U1.21 ; 92.05,65.28 92.44,65.28 92.61,65.45 v1(93,65.45) 93,65.84 93.06,65.9 R10.2 ; 92.05,65.28 C6.2
  Bottom w0.254: v1(101.99,63.54) 94.91,63.54 v1(93,65.45)
Net-(C7-Pad2): length 21.2
  Top w0.254: C8.2 C7.2 ; C8.2 94.9,68.02 94.97,67.96 R10.1 ; C8.2 94.9,69.42 94.95,69.47 95.94,69.47 ; 95.94,69.47 97.31,68.1 102.14,68.1 102.6,67.64 U1.22 ; 95.94,69.47 95.94,71.13 93.28,73.8 91.17,73.8 FB1.1
